# Altium PCB PA-HF_100W-VHF_60W.PcbDoc (part 3 of 3)
Units mm, origin at the board's own origin, x right, y up, seen from the top; angles counter-clockwise.
Board outline 171 x 171 mm, 2 copper layers (Top Layer, Bottom Layer), stack 1.571 mm thick; 392 components, 217 nets, 1277 pads, 139 vias.
Unrouted connection lines stored in the file: 497.
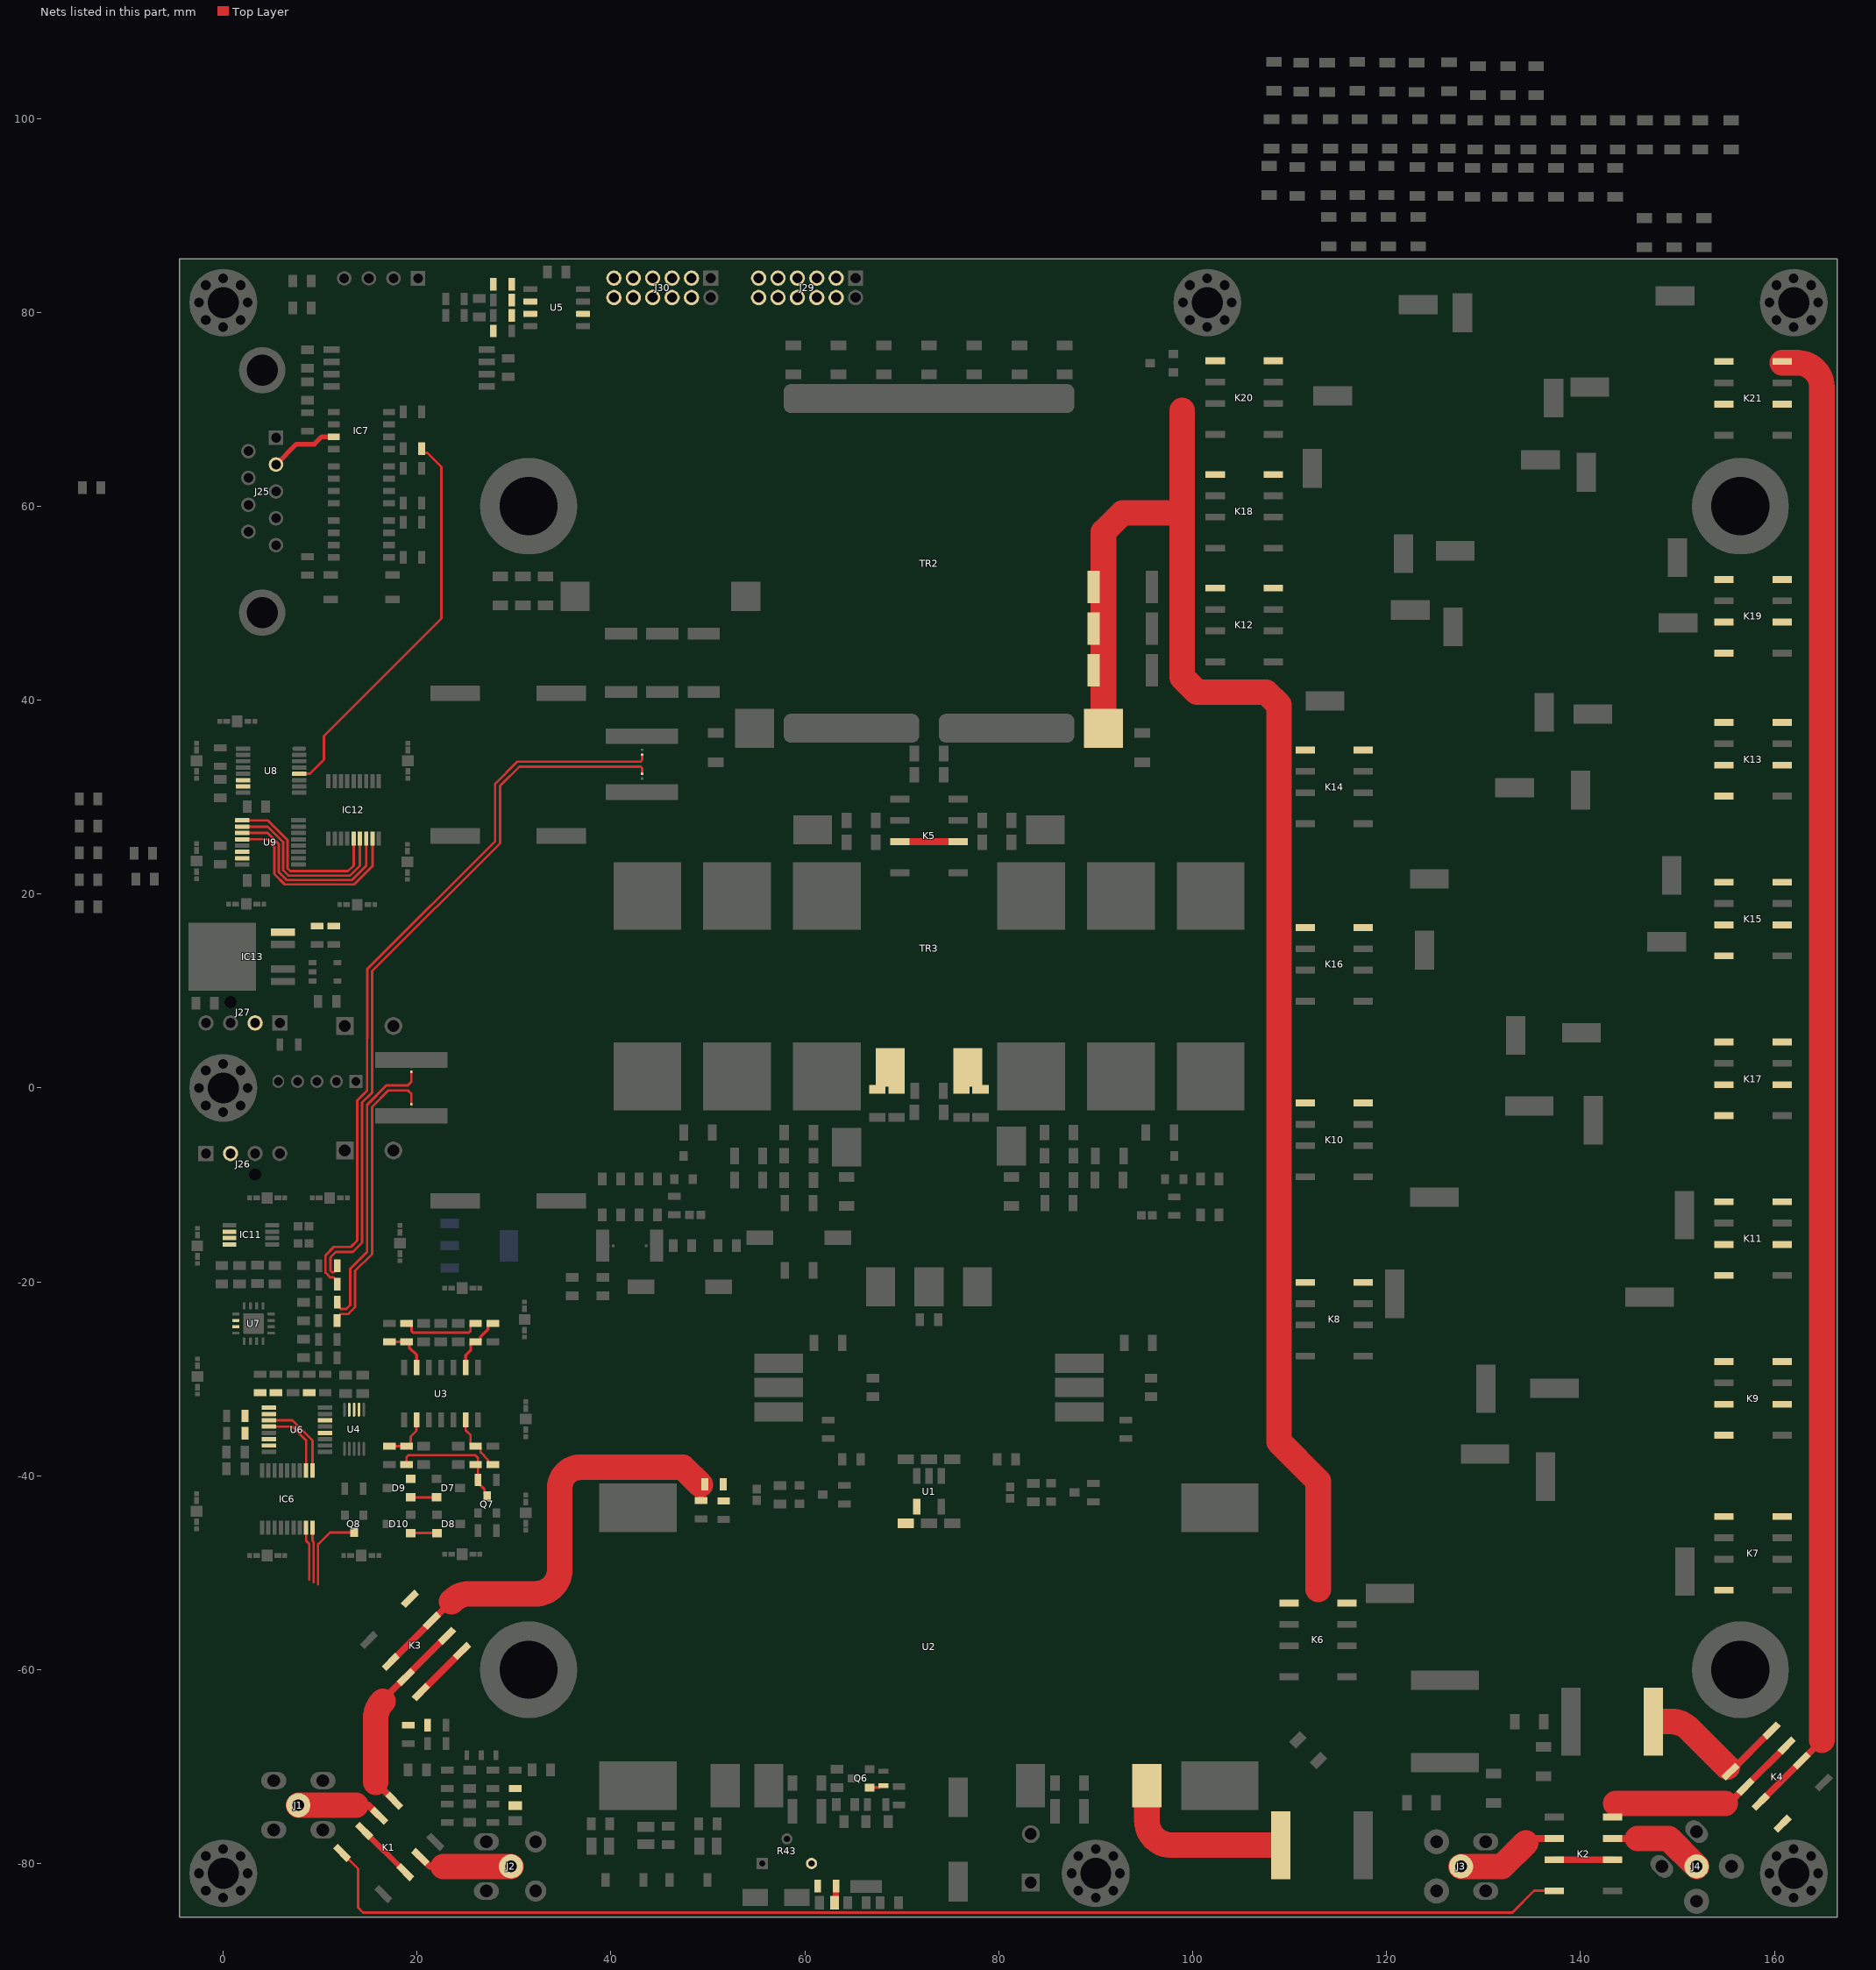
[diagram p3: the nets of this part, all layers, seen from the top]

## Via types
v1: diameter 0.6, hole 0.4, Top Layer to Bottom Layer, tented both sides, 127 vias
v2: diameter 0.45, hole 0.25, Top Layer to Bottom Layer, tented both sides, 8 vias
v3: diameter 0.5, hole 0.2, Top Layer to Bottom Layer, tented both sides, 4 vias

## Nets (pads, with @x,y where several pads share a name; then routed paths per layer and width w, separated by ;. In a path a pad name is that pad's centre, name@x,y a point inside that pad or via, vN(x,y) a via of type N, cw(c..) or ccw(c..) an arc to the next point about the centre after c; other vN are vias at no path point) (continued)
NetIC12_5: IC12.5 U9.9 | length 18.4
  Top Layer w0.254: U9.9@1.968,27.601 4.591,27.601 6.629,25.563 6.629,22.638 6.905,22.362 12.887,22.362 13.45,22.925 IC12.5@13.45,25.725
NetIC12_6: IC12.6 U9.10 | length 19.2
  Top Layer w0.254: U9.10@1.968,26.951 4.599,26.951 6.175,25.375 6.175,22.45 6.717,21.908 13.083,21.908 14.1,22.925 IC12.6@14.1,25.725
NetIC12_7: IC12.7 U9.11 | length 19.9
  Top Layer w0.254: U9.11@1.968,26.301 4.574,26.301 5.721,25.154 5.721,22.262 6.529,21.454 13.279,21.454 14.75,22.925 IC12.7@14.75,25.725
NetIC12_8: IC12.8 U9.12 | length 20.6
  Top Layer w0.254: U9.12@1.968,25.651 4.541,25.651 5.267,24.925 5.267,22.074 6.341,21 13.5,21 15.4,22.9 IC12.8@15.4,25.725
NetIC13_5: IC13.5 R88.1 R89.1
NetJ1_5: J1.5 K1.6 | length 8.8
  Top Layer w0.7: 13.675,-73.975 14.988,-73.975 K1.6@16.085,-75.072
  Top Layer w2.636: J1.5@7.75,-73.975 13.675,-73.975
NetJ2_5: J2.5 K1.3 | length 9.8
  Top Layer w0.7: K1.3@20.328,-79.315 21.298,-80.285 22.7,-80.285
  Top Layer w2.636: 22.7,-80.285 J2.5@29.685,-80.285
NetJ3_5: J3.5 K2.6 | length 10.8
  Top Layer w0.7: 134.35,-77.85 134.8,-77.4 K2.6@137.3,-77.4
  Top Layer w2.636: J3.5@127.685,-80.285 131.915,-80.285 134.35,-77.85
NetJ4_5: J4.5 K2.3 | length 9.9
  Top Layer w0.7: K2.3@143.3,-77.4 145.9,-77.4
  Top Layer w2.636: 145.9,-77.4 149.09,-77.4 J4.5@151.975,-80.285
NetJ26_2: J26.2 J27.2
NetK1_2: K1.2 K1.7 | length 6
  Top Layer w0.6: K1.7@14.529,-76.628 K1.2@18.772,-80.871
NetK1_5: K1.5 K3.3 K3.6 | length 20.7
  Top Layer w0.7: 15.725,-71.6 K1.5@17.641,-73.517 ; 16.468,-63.257 cw(c16.8,-63.257) 16.566,-63.022 K3.3@18.835,-60.753 K3.6@23.078,-56.51
  Top Layer w2.636: 15.725,-71.6 15.725,-65.053 cw(c18.265,-65.053) 16.468,-63.257
NetK2_2: K2.2 K2.7 | length 6
  Top Layer w0.7: K2.7@137.3,-79.6 K2.2@143.3,-79.6
NetK2_4: K2.4 K4.3 K4.6 | length 20.1
  Top Layer w0.7: 154.925,-73.8 155.287,-73.8 K4.6@157.022,-72.065 K4.3@161.265,-67.822
  Top Layer w2.636: 143.625,-73.8 154.925,-73.8
NetK3_2: K3.2 K3.7 R10.1 R16.2 | length 46.5
  Top Layer w0.7: K3.2@17.279,-59.197 K3.7@21.522,-54.954 23.467,-53.009 cw(c23.55,-53.092) 23.55,-52.975
  Top Layer w2.636: 23.55,-52.975 23.606,-52.919 cw(c25.402,-54.715) 25.402,-52.175 32.185,-52.175 ccw(c32.185,-49.635) 34.725,-49.635 34.725,-41.215 cw(c36.815,-41.215) 36.815,-39.125 47.425,-39.125 49.225,-40.925
NetK3_4: K3.4 K3.5 R36.1 R37.2 | length 6
  Top Layer w0.7: K3.4@20.391,-62.308 K3.5@24.633,-58.066
NetK4_2: K4.2 K4.7 K7.4 K7.5 K9.4 K9.5 K11.4 K11.5 K13.4 K13.5 K15.4 K15.5 K17.4 K17.5 K19.4 K19.5 K21.4 K21.5 | length 154
  Top Layer w0.7: K4.7@158.578,-73.621 K4.2@162.821,-69.378 164.9,-67.299 164.9,-67.25
  Top Layer w2.636: K21.4@160.8,74.8 162.36,74.8 cw(c162.36,72.26) 164.9,72.26 164.9,-39.975 164.9,-67.25
NetK4_4: K4.4 K4.5 L3.2 | length 15.1
  Top Layer w0.7: K4.5@155.467,-70.509 K4.4@159.709,-66.267
  Top Layer w2.636: L3.2@147.85,-65.35 149.398,-65.35 cw(c149.398,-67.89) 151.194,-66.094 155.137,-70.038
NetK5_2: K5.2 K5.7 | length 6
  Top Layer w0.7: K5.7@69.8,25.4 K5.2@75.8,25.4
NetK6_4: K6.4 K6.5 K8.4 K8.5 K10.4 K10.5 K12.4 K12.5 K14.4 K14.5 K16.4 K16.5 K18.4 K18.5 K20.4 K20.5 R11.2 R12.2 R13.2 TR2.2 | length 160.8
  Top Layer w2.636: TR2.2@90.8,37.1 90.8,57.35 92.75,59.3 98.9,59.3 ; 98.9,69.9 98.9,59.3 ; 112.95,-51.7 112.95,-40.55 108.9,-36.5 108.9,39.5 107.575,40.825 100.444,40.825 98.9,42.369 98.9,59.3
NetK7_8: K7.8 K9.2 K9.7
NetK9_8: K9.8 K11.2 K11.7
NetK11_8: K11.8 K15.2 K15.7
NetK13_2: K13.2 K13.7 K17.8
NetK13_8: K13.8 K19.2 K19.7
NetK15_8: K15.8 K17.2 K17.7
NetK19_8: K19.8 K21.2 K21.7
NetL2_1: L2.1 U2.4 | length 18.6
  Top Layer w2.636: U2.4@95.275,-71.95 95.275,-75.56 ccw(c97.815,-75.56) 97.815,-78.1 L2.1@108.775,-78.1
NetL8_2: L8.2 R35.1
NetL9_1: L9.1 R41.2 | length 1.8
  Top Layer w0.65: L9.1@63.06,-84.025 63.2,-83.885 63.2,-82.35 R41.2@63.225,-82.325
NetQ7_3: Q7.3 R48.2 R55.2 R66.2 R68.2 R70.2 | length 21.2
  Top Layer w0.254: R48.2@18.917,-38.85 18.917,-38.083 19.125,-37.875 25.975,-37.875 26.275,-38.175 R68.2@26.275,-40.425 26.275,-40.725 26.951,-41.401 26.951,-41.791 Q7.3@27.225,-42.065 ; R55.2@18.917,-24.275 19.217,-24.275 19.44,-24.498 19.44,-25.076 19.588,-25.225 25.362,-25.225 25.51,-25.076 25.51,-24.498 25.733,-24.275 R66.2@26.033,-24.275
NetR5_2: R5.2 R7.2 TR3.2
NetR9_2: R9.2 R15.2 TR3.1
NetR10_2: R10.2 R17.2 U1.5
NetR41_1: R41.1 R43.3
NetR48_1: R48.1 R52.2 U3.9 | length 5
  Top Layer w0.254: R52.2@17.15,-36.95 R48.1@18.917,-36.95 19.127,-36.95 19.35,-36.727 19.35,-35.95 19.935,-35.365 U3.9@19.935,-34.225
NetR49_1: R49.1 R53.2 U5.2
NetR55_1: R55.1 R59.2 U3.6 | length 4.9
  Top Layer w0.3: R59.2@17.15,-26.175 18.999,-26.175 19.199,-26.375 19.199,-26.799 19.935,-27.535 U3.6@19.935,-28.825
NetR57_2: R57.2 R60.1 U5.3
NetR66_1: R66.1 R69.2 U3.2 | length 6.2
  Top Layer w0.3: U3.2@25.015,-28.825 25.015,-27.547 25.533,-27.028 25.533,-26.375 25.733,-26.175 26.333,-26.175 26.533,-25.975 26.533,-25.675 27.325,-24.883 27.325,-24.475 27.525,-24.275 R69.2@27.825,-24.275
NetR70_1: R70.1 R71.2 U3.13 | length 6.3
  Top Layer w0.254: U3.13@25.015,-34.225 25.015,-35.315 25.518,-35.818 25.518,-36.727 25.741,-36.95 26.333,-36.95 26.556,-37.173 26.556,-37.581 27.31,-38.335 27.31,-38.627 27.533,-38.85 R71.2@27.825,-38.85
NetU4_4: U4.4 U6.4
OUT_CURR_N: NT2.1 R83.1 | length 77.3
  Top Layer w0.254: R83.1@11.775,-20.225 11.775,-19.925 11.379,-19.529 11.039,-19.529 10.552,-19.042 10.552,-17.248 11.408,-16.392 13.165,-16.392 13.816,-15.741 13.816,-1.297 14.844,-0.268 14.844,5.079 14.865,5.1 14.865,12.265 28.05,25.45 28.05,31.375 30.329,33.654 43.051,33.654 43.2,33.803 NT2.1@43.2,34.367
OUT_CURR_P: NT4.1 R81.1 | length 75.6
  Top Layer w0.254: R81.1@11.775,-18.325 11.775,-18.625 11.419,-18.981 11.209,-18.981 11.06,-18.832 11.06,-17.458 11.618,-16.9 13.375,-16.9 14.324,-15.951 14.324,-1.507 15.352,-0.479 15.352,4.869 15.373,4.89 15.373,12.055 28.558,25.24 28.558,31.165 30.539,33.146 43.051,33.146 43.2,32.997 NT4.1@43.2,32.425
PWR_ON_EX: IC7.7 J25.2 | length 7.1
  Top Layer w0.5: J25.2@5.44,64.295 7.545,66.4 9.4,66.4 10.165,67.165 IC7.7@11.4,67.165
PWR_ON_IN: R72.2 U8.4 | length 41.3
  Top Layer w0.254: U8.4@7.85,32.4 8.95,32.4 10.396,33.846 10.396,36.294 22.514,48.412 22.514,64.053 21.057,65.51 20.698,65.51 20.475,65.733 R72.2@20.475,65.925
RFUNT_ALC: J29.11 J30.11 R49.2 U5.6
RFUNT_CLK: J29.5 J30.5
RFUNT_DATA_IN: J29.7 J30.7
RFUNT_OE: J29.8 J30.8
RFUNT_RCLK: J29.6 J30.6
RFUNT_THERM: J29.12 J30.12
SCL: IC11.8 J29.3 J30.3 R50.2 U4.2 U6.14 U7.6 U8.14 U9.14
SDA: IC11.7 J29.4 J30.4 R51.2 U4.3 U6.15 U7.7 U8.15 U9.15
SWR_BACKW: J29.9 J30.9
SWR_FORW: J29.10 J30.10
T\E\M\P\_\A\L\A\R\M\: D8.2 D10.1 IC11.6 R63.2 U6.9 | length 2.7
  Top Layer w0.254: D10.1@19.325,-45.9 D8.2@22.05,-45.9
TX: IC6.17 K1.8 K2.8 | length 136.3
  Top Layer w0.254: IC6.17@8.55,-45.35 8.55,-46.692 8.875,-47.017 8.875,-50.7 ; K1.8@12.267,-78.891 13.9,-80.524 13.9,-84.525 14.425,-85.05 61.891,-85.05 132.975,-85.05 135.225,-82.8 K2.8@137.3,-82.8
TX_ON: IC6.2 U6.12 | length 7.5
  Top Layer w0.254: U6.12@4.7,-34.925 7.125,-34.925 8.55,-36.35 IC6.2@8.55,-39.45
V\S\W\R\_\A\L\A\R\M\: D7.2 D9.1 R61.2 U6.6 | length 2.7
  Top Layer w0.254: D9.1@19.325,-42.225 D7.2@22.025,-42.225
VHF_AMP_EN: IC6.1 U6.11 | length 8.5
  Top Layer w0.254: U6.11@4.7,-34.275 7.125,-34.275 9.2,-36.35 IC6.1@9.2,-39.45
VHF_AMP_ON: IC6.18 K3.8 K4.8 | length 5.7
  Top Layer w0.254: IC6.18@9.2,-45.35 9.2,-46.7 9.329,-46.829 9.329,-50.975
VHF_BIAS_EN: D9.2 R64.2 U6.10
VHF_BIAS_ON: Q6.1 Q8.3 R46.2 | length 9.8
  Top Layer w0.254: 9.783,-51.175 9.783,-47.067 11.015,-45.835 Q8.3@13.5,-45.835
  Top Layer w0.3: Q6.1@66.685,-72.15 67.65,-72.15 67.85,-71.95 R46.2@68.1,-71.95
VHF_CURR_N: NT6.1 R78.1 | length 30
  Top Layer w0.254: R78.1@11.75,-24 11.973,-23.777 11.973,-23.453 12.122,-23.304 12.914,-23.304 13.608,-22.61 13.608,-18.867 15.348,-17.127 15.348,-1.951 17.045,-0.254 19.05,-0.254 19.4,-0.604 NT6.1@19.4,-1.671
VHF_CURR_P: NT5.1 R77.1 | length 29.9
  Top Layer w0.254: R77.1@11.775,-22.1 11.998,-22.323 11.998,-22.647 12.147,-22.796 12.704,-22.796 13.1,-22.4 13.1,-18.657 14.84,-16.917 14.84,-1.741 16.835,0.254 19.05,0.254 19.4,0.604 NT5.1@19.4,1.671
pads on no net: IC6.3 IC6.4 IC6.5 IC6.6 IC6.7 IC6.8 IC6.11 IC6.12 IC6.13 IC6.14 IC6.15 IC6.16 IC13.3 J26. J27. J28.5 U1. U4.5 U5.1 U5.5 U5.8 U6.13 U7.8 U7.10 U7.13 U7.17@2.555,-23.73 U7.17@2.555,-24.87 U7.17@3.695,-23.73 U7.17@3.695,-24.87 U8.12 U8.13 U9.13 U10.4

## Polygon pours and split planes (outlines as drawn)
GND_E on Bottom Layer "GND_E_L02_P000" (solid, pour order 0): 10.325,69.35 9.475,68.5 5.05,68.5 4.175,67.625 4.175,55.75 5.35,54.575 9.775,54.575 10.375,53.975 10.375,49.55 11.025,48.9 12.25,48.9 12.75,49.4 12.75,71.775 15.8,74.825 15.8,84 15.275,84.525 10.7,84.525 10.325,84.15

## Keep-outs
Keep-Out Layer:
  the board outline again, w0.254

## Other copper
Top Layer:
  rectangle net NetK2_4: 142.3,-75.55 144.3,-72.475
  region net NetC50_2: 43.35,-77.5 43.35,-78.825 46,-78.825 46,-77.5
  region net NetC50_2: 46.475,-80.375 45.15,-80.375 45.15,-83.025 46.475,-83.025
  rectangle net NetC50_2: 42.9,-83.025 44.225,-80.375
  rectangle net NetC51_2: 49.475,-83.025 50.8,-80.375
  region net NetC50_1: 40.075,-80.375 38.75,-80.375 38.75,-83.025 40.075,-83.025
  rectangle net NetC50_1: 33.3,-71.65 34.625,-69
  region net NetC36_2: 50.8,41.7 51.2,41.3 51.2,39.6 46.3,34.7 30.9,34.7 29.9,35.7 29.9,44.4 27.784,46.516 27.784,50.258 28.026,50.5 37.3,50.5 37.8,50 37.8,44.7 40.8,41.7
  region net NetC20_2: 39.4,46.5 40.6,45.3 53,45.3 57.295,49.595 57.303,54.903 61.1,58.7 86.175,58.7 87.8,60.325 87.8,73.4 87.1,74.1 48.5,74.1 39.4,65
  region net NetC13_2: 71.8,38.15 71.8,30.1 71.1,29.4 66.075,29.4 64.8,28.125 64.8,24.8 64.525,24.525 57.225,24.525 56.5,23.8 56.5,16.5 56.3,16.3 49.8,16.3 49.5,16.6 49.5,25.8 49.5,33.5 50.2,34.2 57.375,34.2 57.8,34.625 57.8,38.175 58.225,38.6 71.35,38.6
  region net NetC4_1: 73.8,38.15 73.8,30.1 74.5,29.4 79.525,29.4 80.8,28.125 80.8,24.8 81.075,24.525 88.375,24.525 89.1,23.8 89.1,16.5 89.3,16.3 95.8,16.3 96.1,16.6 96.1,25.8 96.1,33.5 95.4,34.2 88.225,34.2 87.8,34.625 87.8,38.175 87.375,38.6 74.25,38.6
  region net NetC67_2: 57.85,-82.75 57.975,-82.625 60.3,-82.625 60.5,-82.825 60.5,-83.25 60.625,-83.375 61.85,-83.375 61.95,-83.475 61.95,-84.625 61.875,-84.7 57.975,-84.7 57.85,-84.575
  region net NetIC4_2: 15.675,-2.3 15.9,-2.075 22.9,-2.075 23.125,-2.3 23.125,-7.975 22.725,-8.375 16.075,-8.375 15.675,-7.975
  region net NetC11_2: 90.8,-29.4 90.8,-21.4 90.3,-20.9 79.8,-20.9 79.3,-20.4 79.3,-18.8 79,-18.5 76.6,-18.5 76.3,-18.8 76.3,-23 76.05,-23.25 73.425,-23.25 73.3,-23.375 73.3,-24.6 73.4,-24.7 85.3,-24.7 85.8,-25.2 85.8,-29.1 86.1,-29.4
  region net NetC11_1: 54.8,-29.4 54.8,-21.4 55.3,-20.9 65.8,-20.9 66.3,-20.4 66.3,-18.8 66.6,-18.5 69,-18.5 69.3,-18.8 69.3,-23 69.55,-23.25 72.175,-23.25 72.3,-23.375 72.3,-24.6 72.2,-24.7 60.3,-24.7 59.8,-25.2 59.8,-29.1 59.5,-29.4
  region net NetR9_2: 70.3,3.85 70.025,4.125 66.875,4.125 66.625,3.875 66.625,-0.375 66.825,-0.575 70.075,-0.575 70.3,-0.35
  region net NetR5_2: 75.3,3.85 75.575,4.125 78.7,4.125 78.975,3.85 78.975,-0.375 78.775,-0.575 75.525,-0.575 75.3,-0.35
  region net NetC12_1: 49.475,4.4 49.475,-3.275 49.95,-3.75 49.95,-10.1 50.2,-10.35 52.925,-10.35 53.2,-10.075 53.2,-5.875 53.675,-5.4 58.275,-5.4 58.375,-5.3 58.375,-3.97 58.2,-3.8 56.875,-3.8 56.475,-3.4 56.475,-2.317 56.475,4.475 56.25,4.7 49.775,4.7
  region net NetC18_2: 55.15,-6.15 55.15,-12.65 55.225,-12.725 58.325,-12.725 58.375,-12.675 58.375,-6.2 58.325,-6.15
  region net NetC10_2: 71.8,0.55 71.8,-9.1 71.225,-9.675 62.7,-9.675 62.475,-9.9 62.475,-10.3 60.4,-10.3 60.4,-6.2 62.525,-6.2 62.8,-5.925 69.55,-5.925 70.8,-4.675 70.8,0.45 70.9,0.55
  region net NetC1_2: 73.8,0.55 73.8,-9.1 74.375,-9.675 82.9,-9.675 83.125,-9.9 83.125,-10.3 85.2,-10.3 85.2,-6.2 83.075,-6.2 82.8,-5.925 76.05,-5.925 74.8,-4.675 74.8,0.45 74.7,0.55
  region net NetC3_2: 90.425,-6.15 90.425,-12.65 90.35,-12.725 87.25,-12.725 87.2,-12.675 87.2,-6.2 87.25,-6.15
  region net NetC9_1: 96.1,4.4 96.1,-3.275 95.625,-3.75 95.625,-10.1 95.375,-10.35 92.65,-10.35 92.375,-10.075 92.375,-5.875 91.9,-5.4 87.3,-5.4 87.2,-5.3 87.2,-3.97 87.375,-3.8 88.7,-3.8 89.1,-3.4 89.1,-2.317 89.1,4.475 89.325,4.7 95.8,4.7
  region net NetR41_1: 61.675,-79.4 61.675,-82.925 61.625,-82.975 61.025,-82.975 60.975,-82.925 60.975,-81.925 60.875,-81.825 60.1,-81.825 60,-81.725 60,-79.4 60.125,-79.275 61.55,-79.275
  region net GND: 65.85,-83.375 68.225,-83.375 68.225,-84.675 65.85,-84.675
  region net NetC69_2: 62.65,-71.7 63.975,-71.7 64.425,-71.25 64.425,-70.875 64.5,-70.8 65.35,-70.8 65.4,-70.85 65.4,-71.7 65.6,-71.9 65.6,-74.55 65.3,-74.85 65.3,-76.2 65.2,-76.3 63.625,-76.3 63.525,-76.2 63.525,-75.025 63.575,-74.975 63.9,-74.975 64.2,-74.675 64.2,-72.95 64.125,-72.875 62.85,-72.875 62.65,-72.675
  region net NetC67_2: 65.825,-76.3 65.325,-76.8 63.3,-76.8 63.05,-77.05 63.05,-80.55 63.3,-80.8 63.875,-80.8 64.075,-81 64.075,-82.725 64.35,-83 69.725,-83 70,-82.725 70,-77.1 69.7,-76.8 67.275,-76.8 66.775,-76.3 66.775,-75.075 66.7,-75 65.9,-75 65.825,-75.075
  region net NetC61_1: 65.8,-70.5 66,-70.7 76.7,-70.7 76.7,-69.8 76.6,-69.7 65.9,-69.7 65.8,-69.8
  region net NetC53_1: 54.8,-70.3 55.4,-69.7 58.7,-69.7 59.2,-70.2 59.2,-77.85 58.65,-78.4 57.125,-78.4 54.8,-76.075
  region net NetC61_1: 74.1,-70 74.4,-69.7 85.9,-69.7 86.3,-70.1 86.3,-77.725 85.875,-78.15 74.575,-78.15 74.1,-77.675
  region net +12V: 46.425,32.075 46.9,31.6 46.9,25.3 46.2,24.6 38.75,24.6 37.7,23.55 37.7,-4.325 39.825,-6.45 39.825,-19.575 39.4,-20 34.5,-20 32.45,-17.95 28.713,-17.95 28.113,-17.35 28.113,0.637 26.65,2.1 16.225,2.075 15.7,2.6 15.7,11.701 23.099,19.1 29,25.001 29,30.9 30.175,32.075
  region net NetFB1_2: 71.3,-22.3 71.3,-18.55 70.15,-17.4 60.7,-17.4 60.1,-16.8 60.1,-14.025 60.625,-13.5 73.8,-13.5 74.3,-14 74.3,-22.3 74.1,-22.5 71.5,-22.5
  region net NetC2_1: 90.8,-32.6 90.8,-38.5 90.4,-38.9 81.5,-38.9 81.3,-38.7 81.3,-37.9 81.5,-37.7 85.4,-37.7 85.8,-37.3 85.8,-32.6 86,-32.4 90.6,-32.4
  region net NetC7_1: 74.4,-37.7 74.3,-37.8 74.3,-38.7 74.4,-38.8 76,-38.8 76.1,-38.9 80.1,-38.9 80.3,-38.7 80.3,-37.9 80.1,-37.7
  region net NetC17_1: 71.2,-37.7 71.3,-37.8 71.3,-38.7 71.2,-38.8 69.6,-38.8 69.5,-38.9 65.5,-38.9 65.3,-38.7 65.3,-37.9 65.5,-37.7
  region net NetC17_2: 54.8,-32.6 54.8,-38.5 55.2,-38.9 64.1,-38.9 64.3,-38.7 64.3,-37.9 64.1,-37.7 60.2,-37.7 59.8,-37.3 59.8,-32.6 59.6,-32.4 55,-32.4
Bottom Layer:
  region net NetC67_2: 57.85,-82.85 58.075,-82.625 61.05,-82.625 62.95,-80.725 62.95,-77.15 63.3,-76.8 69.7,-76.8 70,-77.1 70,-82.775 69.775,-83 65.475,-83 64.725,-83.75 64.725,-84.825 64.5,-85.05 58.025,-85.05 57.85,-84.875
  region net NetC36_2: 50.8,41.7 51.2,41.3 51.2,39.6 46.3,34.7 30.9,34.7 29.9,35.7 29.9,44.4 27.775,46.525 27.775,50.25 28.025,50.5 37.3,50.5 37.8,50 37.8,44.7 40.8,41.7
  region net +12V: 46.425,32.075 46.9,31.6 46.9,27.5 46.2,26.8 39,26.8 37.7,25.5 37.7,2.775 37,2.075 16.7,2.075 15.7,3.075 15.7,11.6 23.2,19.1 29,24.9 29,30.9 30.175,32.075

## Silkscreen, mask and mechanical layers (free items; w line width, h text height)
Bottom Overlay:
  lines w2.5: 35.52,-78.282 cw(c78.685,-213.514) 121.792,-78.263
  text "10cm pigtail" at 42.41,-73.967 h3
  text "RX Bypass" at 127.91,-73.967 h3
  text "RX Bypass" at 53.9,-80.432 h3
  text "10cm pigtail" at 114.16,-80.417 h3
Top Solder:
  region: 71.8,38.15 71.8,30.1 71.1,29.4 66.075,29.4 64.8,28.125 64.8,24.8 64.525,24.525 57.225,24.525 56.5,23.8 56.5,16.5 56.3,16.3 49.8,16.3 49.5,16.6 49.5,25.8 49.5,33.5 50.2,34.2 57.375,34.2 57.8,34.625 57.8,38.175 58.225,38.6 71.35,38.6
  region: 73.8,38.15 73.8,30.1 74.5,29.4 79.525,29.4 80.8,28.125 80.8,24.8 81.075,24.525 88.375,24.525 89.1,23.8 89.1,16.5 89.3,16.3 95.8,16.3 96.1,16.6 96.1,25.8 96.1,33.5 95.4,34.2 88.225,34.2 87.8,34.625 87.8,38.175 87.375,38.6 74.25,38.6

## Dimensions
-11.5,76.93 to -10.3,75.525 on Mechanical 1
-11.5,76.93 to -5.5,76.925 on Mechanical 1
-4.5,85.5 to -5.5,76.925 on Mechanical 1
31.5,-60 to -4.5,-85.5 on Mechanical 1
31.5,60 to -4.5,85.5 on Mechanical 1
101.5,81 to 166.5,85.5 on Mechanical 1
90,-81 to -4.5,-85.5 on Mechanical 1
90,-81 to 166.5,-85.5 on Mechanical 1
101.5,81 to 166.5,85.5 on Mechanical 1
0,0 to -4.5,-85.5 on Mechanical 1
0,0 to -4.5,85.5 on Mechanical 1
0,-81 to -4.5,-85.5 on Mechanical 1
-4.5,-85.5 to 0,-81 on Mechanical 1
0,81 to -4.5,85.5 on Mechanical 1
-4.5,85.5 to 0,81 on Mechanical 1
162,-81 to 166.5,-85.5 on Mechanical 1
166.5,-85.5 to 162,-81 on Mechanical 1
166.5,85.5 to 162,81 on Mechanical 1
166.5,85.5 to 162,81 on Mechanical 1
166.5,-85.5 to 166.5,85.5 on Mechanical 1
-4.5,-85.5 to 166.5,-85.5 on Mechanical 1

## Text inside footprints (layer, text, board x,y; h text height)
J25: Top Overlay "9" at 2.07,56.125 h1.02 r270; Top 3D Body "PCB Edge" at -6.9,64.925 h1.02 r270
L1: Top Overlay "FT50-43" at 49.975,57.34 h3 r180
L10: Top Overlay "2 x T68-2" at 130.875,-44.035 h3 r180
L11: Top Overlay "2 x T68-2" at 144.49,-50.6 h3 r90
L12: Top Overlay "T68-6" at 126.527,-29.525 h3 r90
L13: Top Overlay "T68-2" at 145.625,-25.285 h3 r180
L14: Top Overlay "T68-6" at 133.225,-5.573 h3 r180
L15: Top Overlay "T68-6" at 147.002,-11.625 h3 r90
L16: Top Overlay "T50-6" at 121.45,45.59 h3 r180
L17: Top Overlay "T50-6" at 132.54,39.75 h3 r90
L18: Top Overlay "T50-6" at 149.075,44.24 h3 r180
L19: Top Overlay "T50-6" at 132.2,27.24 h3 r180
L20: Top Overlay "T50-6" at 145.715,22.925 h3 r90
L21: Top Overlay "T50-6" at 129.59,6.425 h3 r90
L22: Top Overlay "T50-6" at 147.9,11.365 h3 r180
L23: Top Overlay "T50-17" at 118.04,55.35 h3 r90
L24: Top Overlay "T50-17" at 135.625,61.09 h3 r180
L25: Top Overlay "T50-17" at 146.29,54.95 h3 r90
L26: Top Overlay "T50-17" at 123,77.09 h3 r180
L27: Top Overlay "T50-17" at 133.515,71.4 h3 r90
L28: Top Overlay "T50-17" at 149.5,77.99 h3 r180